# KiCad board porcupine_6x3_routed.kicad_pcb
title: porcupine_6x3; rev: v0.0.1; company: Anarion
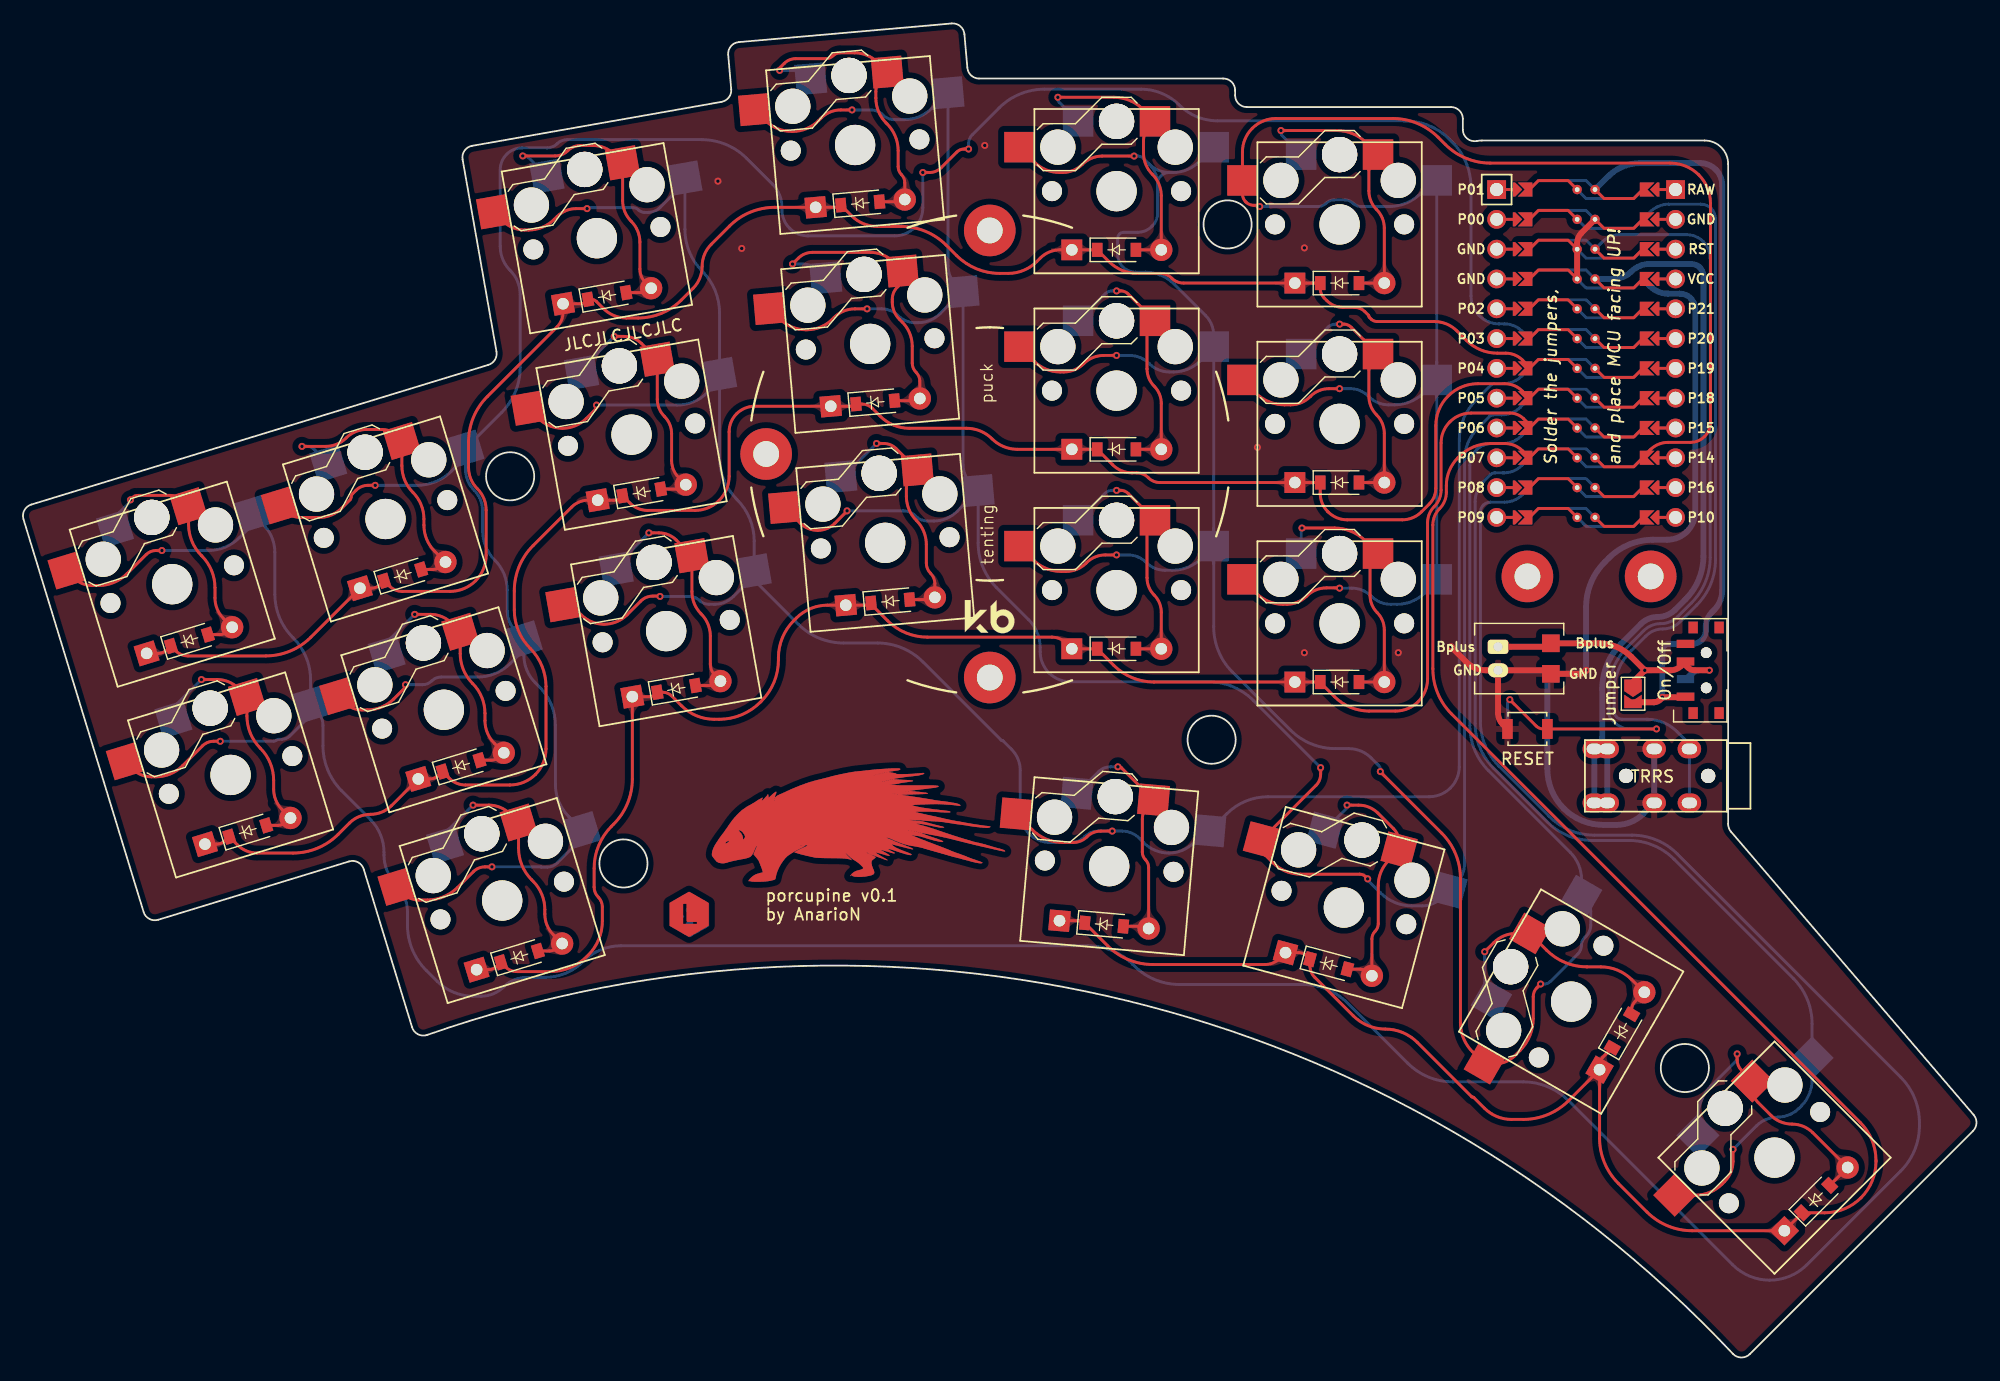
[diagram p0: board, top side]
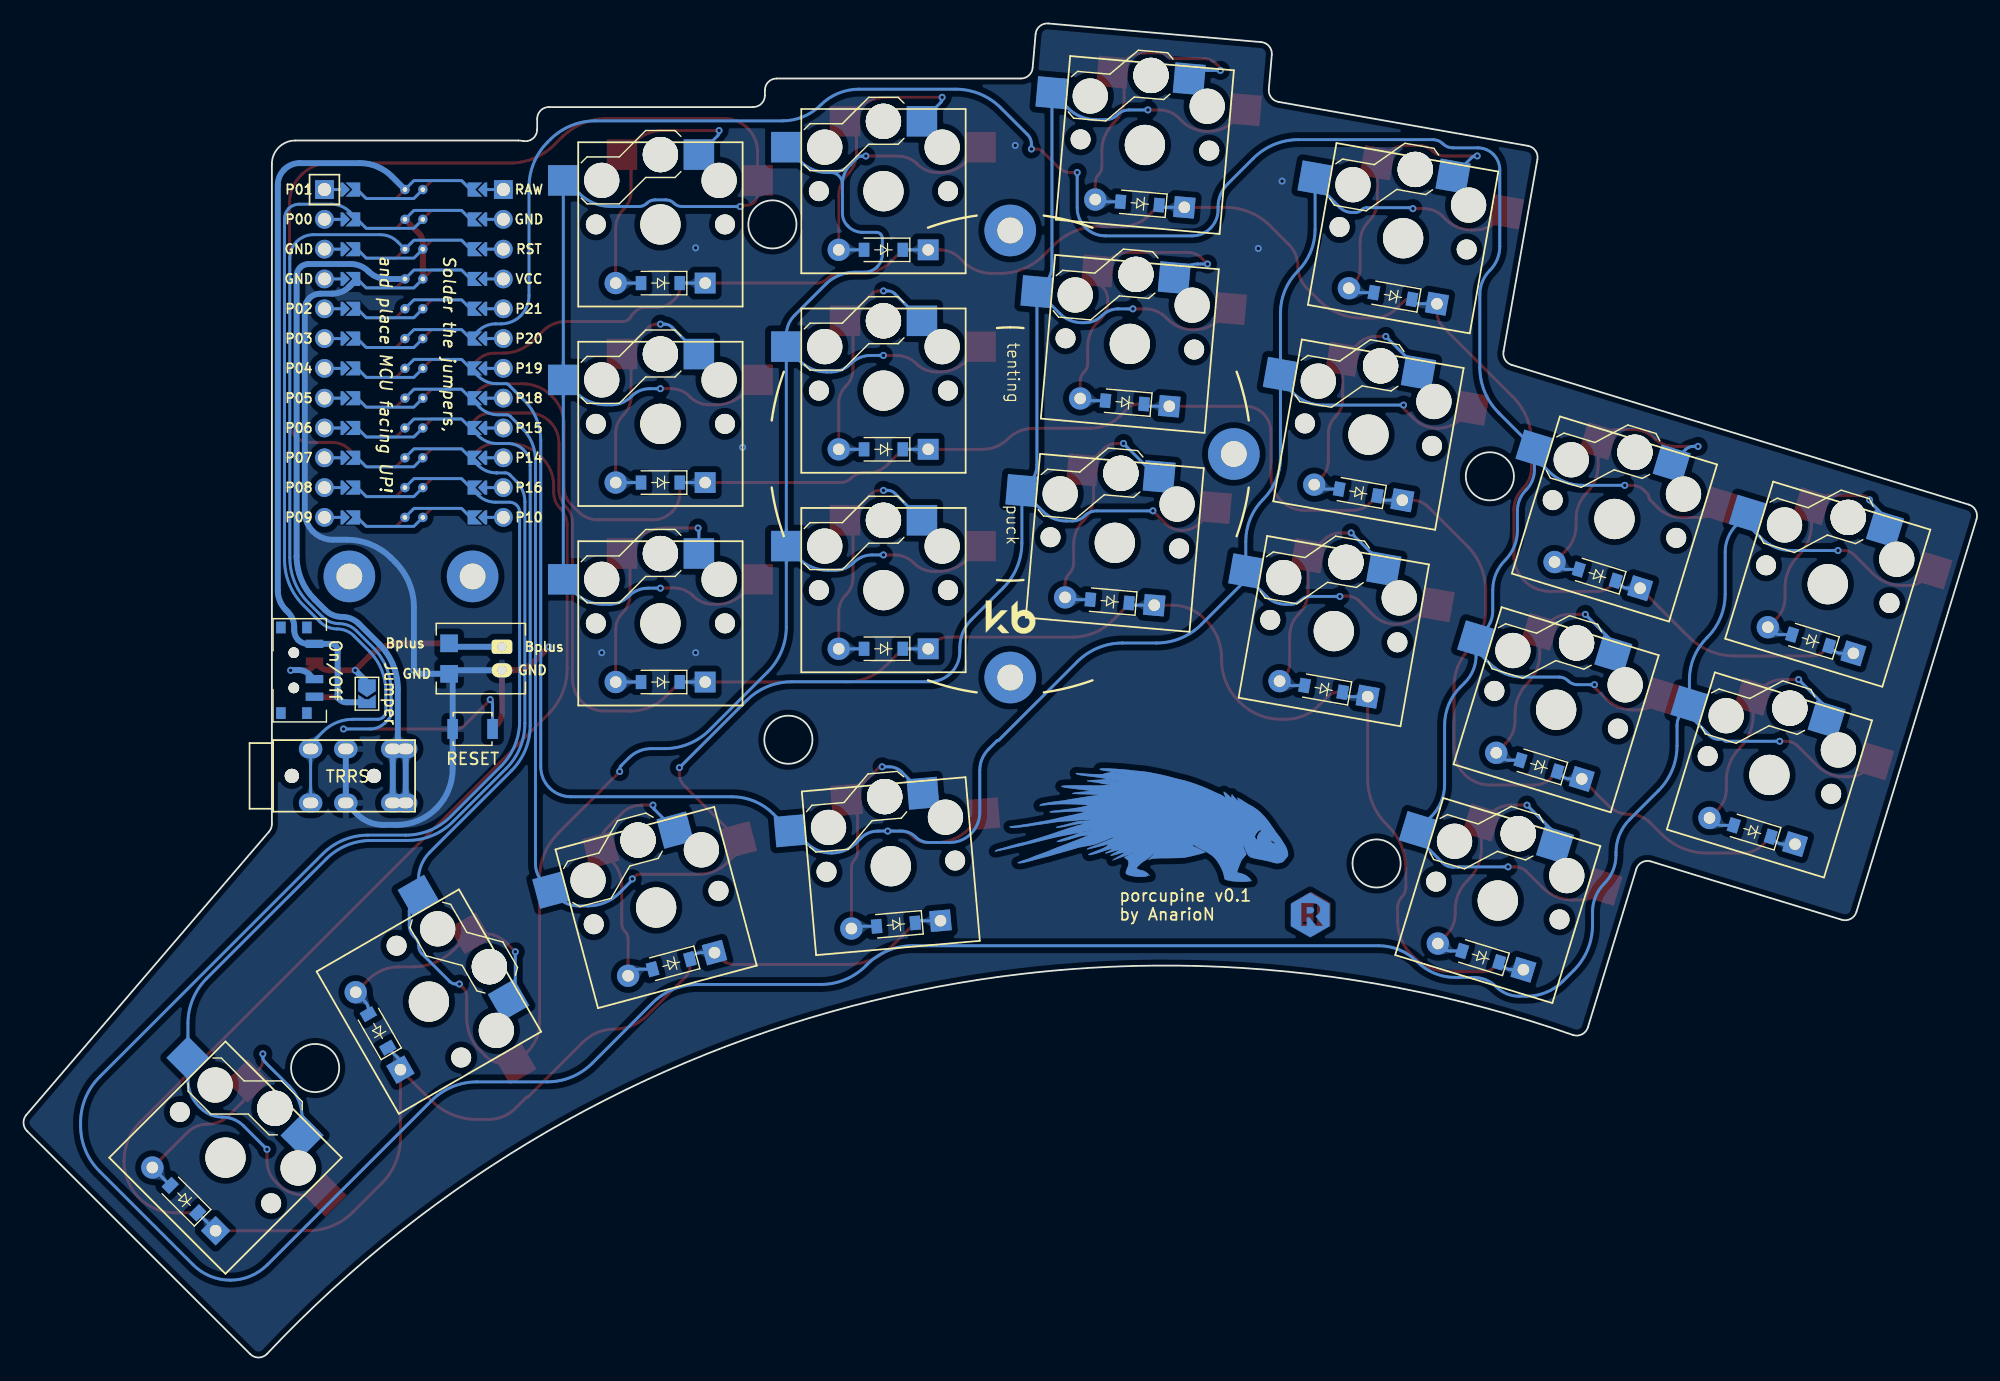
[diagram p1: board, bottom side, seen from below]

Outline 166.38 x 113.69 mm; copper layers: Top, Bottom. Coordinates in mm from the lower left corner of the outline.
Outline path: circle c41.46,75.1 r2.05 ; circle c51.11,42.11 r2.05 ; circle c101.22,52.65 r2.05 ; circle c102.58,96.57 r2.05 ; circle c141.53,24.67 r2.05 ; 0,71.44 arc(0.07,72.21) 0.66,72.69 39.6,84.6 arc(40.16,85.03) 40.3,85.73 37.41,102.11 arc(37.57,102.86) 38.22,103.27 59.47,107.01 arc(60.09,107.39) 60.29,108.09 60.03,111.02 arc(60.26,111.75) 60.94,112.11 79.07,113.69 arc(79.8,113.46) 80.16,112.78 80.41,109.91 arc(80.73,109.26) 81.4,109 102.22,109 arc(102.93,108.71) 103.22,108 103.22,107.57 arc(103.51,106.86) 104.22,106.57 121.62,106.57 arc(122.33,106.28) 122.62,105.57 122.62,104.66 arc(122.99,103.88) 123.82,103.68 arc(124.02,103.71) 124.22,103.72 143.22,103.72 arc(144.63,103.13) 145.22,101.72 145.22,45.47 arc(145.28,45.12) 145.46,44.82 166.14,20.67 arc(166.38,19.99) 166.09,19.32 147.06,0.29 arc(146.34,0) 145.63,0.31 arc(94.04,30.4) 34.39,27.49 arc(33.61,27.55) 33.11,28.15 28.99,41.62 arc(28.5,42.21) 27.74,42.28 11.48,37.31 arc(10.72,37.38) 10.23,37.97 0,71.44

## Placement (name value [footprint] x y rotation side)
_2  -  [bat2p0]  125.62 59.57 0 top
_3  -  [SW_SPDT_PCM12]  143.02 58.57 90 top
_4_B  SW_Push  [SW_SPST_B3U-1000P#2]  128.12 53.57 0 bottom
_4_F  SW_Push  [SW_SPST_B3U-1000P]  128.12 53.57 0 top
_11  -  [Tenting Puck]  82.32 77 0 top
_81  hole  [Through Hole]  128.12 66.57 0 top
_82  hole  [Through Hole]  138.62 66.57 0 top
D1  D_SOD-123  [SOD-123]  19.1 44.87 17 top
D2  D_SOD-123  [SOD-123]  14.13 61.13 17 top
D3  D_SOD-123  [SOD-123]  42.24 34.17 17 top
D4  D_SOD-123  [SOD-123]  37.27 50.42 17 top
D5  D_SOD-123  [SOD-123]  32.3 66.68 17 top
D6  D_SOD-123  [SOD-123]  55.62 56.98 10 top
D7  D_SOD-123  [SOD-123]  52.67 73.73 10 top
D8  D_SOD-123  [SOD-123]  49.72 90.47 10 top
D9  D_SOD-123  [SOD-123]  73.85 64.45 5 top
D10  D_SOD-123  [SOD-123]  72.56 81.4 5 top
D11  D_SOD-123  [SOD-123]  71.28 98.36 5 top
D12  D_SOD-123  [SOD-123]  93.12 60.4 0 top
D13  D_SOD-123  [SOD-123]  93.12 77.4 0 top
D14  D_SOD-123  [SOD-123]  93.12 94.4 0 top
D15  D_SOD-123  [SOD-123]  112.12 57.57 0 top
D16  D_SOD-123  [SOD-123]  112.12 74.57 0 top
D17  D_SOD-123  [SOD-123]  112.12 91.57 0 top
D18  D_SOD-123  [SOD-123]  92.05 36.89 355 top
D19  D_SOD-123  [SOD-123]  111.19 33.52 345 top
D20  D_SOD-123  [SOD-123]  136.17 27.83 60 top
D21  D_SOD-123  [SOD-123]  152.7 13.5 45 top
J1  Jumper  [SolderJumper-2_P1.3mm_Open_TrianglePad1.0x1.5mm]  137.12 56.57 270 bottom
J2  Jumper  [SolderJumper-2_P1.3mm_Open_TrianglePad1.0x1.5mm]  137.12 56.57 270 top
LOGO_B  -  [Porcupine Logo]  71.12 45.4 0 bottom
LOGO_F  -  [Porcupine Logo]  71.12 45.4 0 top
MCU1  -  [ProMicro]  133.12 85.57 270 top
PAD1  -  [SMDPad]  130.12 60.87 0 top
PAD2  -  [SMDPad]  130.12 58.27 0 top
S1  -  [PG1350]  17.64 49.65 17 top
S2  -  [PG1350]  12.67 65.91 17 top
S3  -  [PG1350]  40.78 38.95 17 top
S4  -  [PG1350]  35.81 55.21 17 top
S5  -  [PG1350]  30.84 71.46 17 top
S6  -  [PG1350]  54.75 61.91 10 top
S7  -  [PG1350]  51.8 78.65 10 top
S8  -  [PG1350]  48.85 95.39 10 top
S9  -  [PG1350]  73.41 69.43 5 top
S10  -  [PG1350]  72.13 86.38 5 top
S11  -  [PG1350]  70.85 103.34 5 top
S12  -  [PG1350]  93.12 65.4 0 top
S13  -  [PG1350]  93.12 82.4 0 top
S14  -  [PG1350]  93.12 99.4 0 top
S15  -  [PG1350]  112.12 62.57 0 top
S16  -  [PG1350]  112.12 79.57 0 top
S17  -  [PG1350]  112.12 96.57 0 top
S18  -  [PG1350]  92.49 41.88 355 top
S19  -  [PG1350]  112.48 38.35 345 top
S20  -  [PG1350]  131.84 30.33 60 top
S21  -  [PG1350]  149.17 17.04 45 top
Side_B  -  [Side Indicator]  55.32 34.8 0 bottom
Side_F  -  [Side Indicator]  55.32 38.85 0 top
TRRS_B  AudioJack4  [TRRS-PJ-320A-dual#2]  145.12 49.57 270 bottom
TRRS_F  AudioJack4  [TRRS-PJ-320A-dual]  145.12 49.57 270 top

## Library data of the parts
_2 = -: LCSC Part #: C265016
_3 = -: LCSC Part #: C221841
_4_B _4_F = -: Field4: _4
D1-D21 = -: LCSC Part #: C105503
TRRS_B = -: Field4: R outer; Field5: Tip; Field6: Sleeve; Field7: R inner
TRRS_F = -: Field4: Sleeve; Field5: R inner; Field6: R outer; Field7: Tip

## Footprints (pads in the part's own frame, mm; a bottom-side part is the same pattern mirrored in y, then rotated)
bat2p0
  rrect 1.75x1.2 hole 0.75: 1(0,1) 1(0,1)
  oval 1.75x1.2 hole 0.75: 2(0,-1) 2(0,-1)
PG1350
  round 1.702 hole 1.702 unplated: (-5.5,0) (5.5,0)
  round 3 hole 3 unplated: (-5,3.75) (0,5.95) (0,5.95) (5,3.75)
  round 3.429 hole 3.429 unplated: (0,0)
  rect 2.6x2.6 smd far side: 1(-3.275,5.95) 2(8.275,3.75)
  rect 2.6x2.6 smd: 1(3.275,5.95) 2(-8.275,3.75)
ProMicro
  round 1.6 hole 1.1: (-13.97,7.62) (-13.97,-7.62) (-11.43,7.62) (-11.43,-7.62) (-8.89,7.62) (-8.89,-7.62) (-6.35,7.62) (-6.35,-7.62) (-3.81,7.62) (-3.81,-7.62) (-1.27,7.62) (-1.27,-7.62) (1.27,7.62) (1.27,-7.62) (3.81,7.62) (3.81,-7.62) (6.35,7.62) (6.35,-7.62) (8.89,7.62) (8.89,-7.62) (11.43,7.62) (11.43,-7.62) (13.97,7.62) (13.97,-7.62)
  rect 1.6x1.6 hole 1.1: (-13.97,7.62) (-13.97,-7.62)
  custom 0.25x1 smd: (-13.97,6.35) (-13.97,-6.35) (-11.43,6.35) (-11.43,-6.35) (-8.89,6.35) (-8.89,-6.35) (-6.35,6.35) (-6.35,-6.35) (-3.81,6.35) (-3.81,-6.35) (-1.27,6.35) (-1.27,-6.35) (1.27,6.35) (1.27,-6.35) (3.81,6.35) (3.81,-6.35) (6.35,6.35) (6.35,-6.35) (8.89,6.35) (8.89,-6.35) (11.43,6.35) (11.43,-6.35) (13.97,6.35) (13.97,-6.35)
  custom 0.25x1 smd far side: (-13.97,6.35) (-13.97,-6.35) (-11.43,6.35) (-11.43,-6.35) (-8.89,6.35) (-8.89,-6.35) (-6.35,6.35) (-6.35,-6.35) (-3.81,6.35) (-3.81,-6.35) (-1.27,6.35) (-1.27,-6.35) (1.27,6.35) (1.27,-6.35) (3.81,6.35) (3.81,-6.35) (6.35,6.35) (6.35,-6.35) (8.89,6.35) (8.89,-6.35) (11.43,6.35) (11.43,-6.35) (13.97,6.35) (13.97,-6.35)
  custom 1.2x0.8 smd: (-13.97,5.842) (-13.97,-5.842) (-11.43,5.842) (-11.43,-5.842) (-8.89,5.842) (-8.89,-5.842) (-6.35,5.842) (-6.35,-5.842) (-3.81,5.842) (-3.81,-5.842) (-1.27,5.842) (-1.27,-5.842) (1.27,5.842) (1.27,-5.842) (3.81,5.842) (3.81,-5.842) (6.35,5.842) (6.35,-5.842) (8.89,5.842) (8.89,-5.842) (11.43,5.842) (11.43,-5.842) (13.97,5.842) (13.97,-5.842)
  custom 1.2x0.8 smd far side: (-13.97,5.842) (-13.97,-5.842) (-11.43,5.842) (-11.43,-5.842) (-8.89,5.842) (-8.89,-5.842) (-6.35,5.842) (-6.35,-5.842) (-3.81,5.842) (-3.81,-5.842) (-1.27,5.842) (-1.27,-5.842) (1.27,5.842) (1.27,-5.842) (3.81,5.842) (3.81,-5.842) (6.35,5.842) (6.35,-5.842) (8.89,5.842) (8.89,-5.842) (11.43,5.842) (11.43,-5.842) (13.97,5.842) (13.97,-5.842)
  custom 1.2x1.25 smd: 1(-13.97,4.826) 2(-11.43,4.826) 3(-8.89,4.826) 4(-6.35,4.826) 5(-3.81,4.826) 6(-1.27,4.826) 7(1.27,4.826) 8(3.81,4.826) 9(6.35,4.826) 10(8.89,4.826) 11(11.43,4.826) 12(13.97,4.826) 13(13.97,-4.826) 14(11.43,-4.826) 15(8.89,-4.826) 16(6.35,-4.826) 17(3.81,-4.826) 18(1.27,-4.826) 19(-1.27,-4.826) 20(-3.81,-4.826) 21(-6.35,-4.826) 22(-8.89,-4.826) 23(-11.43,-4.826) 24(-13.97,-4.826)
  custom 1.016x4.314 smd: 1(-13.97,0.762) 2(-11.43,0.762) 3(-8.89,0.762) 4(-6.35,0.762) 5(-3.81,0.762) 6(-1.27,0.762) 7(1.27,0.762) 8(3.81,0.762) 9(6.35,0.762) 10(8.89,0.762) 11(11.43,0.762) 12(13.97,0.762)
  custom 1.016x5.838 smd far side: 1(-13.97,0.762) 2(-11.43,0.762) 3(-8.89,0.762) 4(-6.35,0.762) 5(-3.81,0.762) 6(-1.27,0.762) 7(1.27,0.762) 8(3.81,0.762) 9(6.35,0.762) 10(8.89,0.762) 11(11.43,0.762) 12(13.97,0.762) 13(13.97,-0.762) 14(11.43,-0.762) 15(8.89,-0.762) 16(6.35,-0.762) 17(3.81,-0.762) 18(1.27,-0.762) 19(-1.27,-0.762) 20(-3.81,-0.762) 21(-6.35,-0.762) 22(-8.89,-0.762) 23(-11.43,-0.762) 24(-13.97,-0.762)
  round 0.8 hole 0.4: 1(-13.97,0.762) 2(-11.43,0.762) 3(-8.89,0.762) 4(-6.35,0.762) 5(-3.81,0.762) 6(-1.27,0.762) 7(1.27,0.762) 8(3.81,0.762) 9(6.35,0.762) 10(8.89,0.762) 11(11.43,0.762) 12(13.97,0.762) 13(13.97,-0.762) 14(11.43,-0.762) 15(8.89,-0.762) 16(6.35,-0.762) 17(3.81,-0.762) 18(1.27,-0.762) 19(-1.27,-0.762) 20(-3.81,-0.762) 21(-6.35,-0.762) 22(-8.89,-0.762) 23(-11.43,-0.762) 24(-13.97,-0.762)
  custom 1.2x1.25 smd far side: 1(-13.97,-4.826) 2(-11.43,-4.826) 3(-8.89,-4.826) 4(-6.35,-4.826) 5(-3.81,-4.826) 6(-1.27,-4.826) 7(1.27,-4.826) 8(3.81,-4.826) 9(6.35,-4.826) 10(8.89,-4.826) 11(11.43,-4.826) 12(13.97,-4.826) 13(13.97,4.826) 14(11.43,4.826) 15(8.89,4.826) 16(6.35,4.826) 17(3.81,4.826) 18(1.27,4.826) 19(-1.27,4.826) 20(-3.81,4.826) 21(-6.35,4.826) 22(-8.89,4.826) 23(-11.43,4.826) 24(-13.97,4.826)
  custom 1.012x4.314 smd: 13(13.97,-0.762) 14(11.43,-0.762) 15(8.89,-0.762) 16(6.35,-0.762) 17(3.81,-0.762) 18(1.27,-0.762) 19(-1.27,-0.762) 20(-3.81,-0.762) 21(-6.35,-0.762) 22(-8.89,-0.762) 23(-11.43,-0.762) 24(-13.97,-0.762)
SMDPad
  rect 1.5x1.5 smd: 1(0,0)
  rect 1.5x1.5 smd far side: 1(0,0)
SOD-123
  rect 0.9x1.2 smd: 1(-1.65,0) 2(1.65,0)
  rect 0.9x1.2 smd far side: 1(-1.65,0) 2(1.65,0)
  round 1.905 hole 0.991: 1(3.81,0)
  rect 1.778x1.778 hole 0.991: 2(-3.81,0)
SolderJumper-2_P1.3mm_Open_TrianglePad1.0x1.5mm
  custom 1.5x1.5 smd: 1(-0.725,0)
  custom 1.15x1.5 smd: 2(0.725,0)
SW_SPDT_PCM12
  rect 1x0.8 smd: (-3.65,0.78) (-3.65,-1.43) (3.65,0.78) (3.65,-1.43)
  rect 1x0.8 smd far side: (-3.65,0.78) (-3.65,-1.43) (3.65,0.78) (3.65,-1.43)
  round 0.9 hole 0.9 unplated: (-1.5,-0.33) (-1.5,-0.33) (1.5,-0.33) (1.5,-0.33)
  rect 0.7x1.5 smd: 1(-2.25,1.43) 2(0.75,1.43) 3(2.25,1.43)
  rect 0.7x1.5 smd far side: 1(2.25,1.43) 2(-0.75,1.43) 3(-2.25,1.43)
SW_SPST_B3U-1000P#2
  rect 0.9x1.7 smd: 1(-1.7,0) 2(1.7,0)
  rect 0.9x1.7 smd far side: 1(1.7,0) 2(-1.7,0)
Tenting Puck
  round 4.4 hole 2.2: 1(-19.05,0) 1(0,19.05) 1(0,-19.05)
Through Hole
  round 4.4 hole 2.2: 1(0,0)
TRRS-PJ-320A-dual
  round 1.2 hole 1.2 unplated: (0,-1.6) (0,-8.6)
TRRS-PJ-320A-dual#2
  round 1.2 hole 1.2 unplated: (0,1.6) (0,8.6)
  oval 1.6x2 hole 0.9x1.3: R1(-2.3,6.2) R1(2.3,6.2) R2(-2.3,3.2) R2(2.3,3.2) S(-2.3,11.3) S(2.3,11.3) T(-2.3,10.2) T(2.3,10.2)

## Nets
GND: _2.2 _4_B.2 MCU1.2 MCU1.21 MCU1.22 PAD2.1 TRRS_B.R1
VCC: MCU1.4 TRRS_B.S TRRS_B.T
Bplus: _2.1 _3.2 J1.1 J2.1 PAD1.1
far_thumb: S21.1
home_thumb: S20.1
index_bottom: S12.1
index_home: S13.1
index_top: S14.1
inner_bottom: S15.1
inner_home: S16.1
inner_thumb: S18.1
inner_top: S17.1
middle_bottom: S9.1
middle_home: S10.1
middle_top: S11.1
near_thumb: S19.1
outer_home: S1.1
outer_top: S2.1
P0: MCU1.23 TRRS_B.R2
P1: MCU1.24
P2: MCU1.20
P3: MCU1.19
P4: MCU1.18
P4|index_top: D14.1 D14.2
P4|inner_top: D17.1 D17.2
P4|middle_top: D11.1 D11.2
P4|outer_top: D2.1 D2.2
P4|pinky_top: D5.1 D5.2
P4|ring_top: D8.1 D8.2
P5: MCU1.17
P5|index_home: D13.1 D13.2
P5|inner_home: D16.1 D16.2
P5|middle_home: D10.1 D10.2
P5|outer_home: D1.1 D1.2
P5|pinky_home: D4.1 D4.2
P5|ring_home: D7.1 D7.2
P6: MCU1.16
P6|index_bottom: D12.1 D12.2
P6|inner_bottom: D15.1 D15.2
P6|middle_bottom: D9.1 D9.2
P6|pinky_bottom: D3.1 D3.2
P6|ring_bottom: D6.1 D6.2
P7: MCU1.15
P7|far_thumb: D21.1 D21.2
P7|home_thumb: D20.1 D20.2
P7|inner_thumb: D18.1 D18.2
P7|near_thumb: D19.1 D19.2
P8: MCU1.14
P9: MCU1.13
P10: MCU1.12
P14: MCU1.10 S15.2 S16.2 S17.2 S21.2
P15: MCU1.9 S12.2 S13.2 S14.2 S20.2
P16: MCU1.11 S1.2 S2.2
P18: MCU1.8 S9.2 S10.2 S11.2 S19.2
P19: MCU1.7 S6.2 S7.2 S8.2 S18.2
P20: MCU1.6 S3.2 S4.2 S5.2
P21: MCU1.5
pinky_bottom: S3.1
pinky_home: S4.1
pinky_top: S5.1
RAW: _3.1 J1.2 J2.2 MCU1.1
ring_bottom: S6.1
ring_home: S7.1
ring_top: S8.1
RST: _4_B.1 MCU1.3

Pads without a net: _3 3; _11 1; _81 1; _82 1

## Via types
v1: diameter 0.6, hole 0.3, Top to Bottom, 60 vias

## Routing (per net, layer and track width the routed paths; a pad name or vN(x,y) marks a point on that pad's centre or on a via; arc(x,y) is an arc through that point)
GND: length 99.6
  Top w0.5: MCU1.21 MCU1.22 132.36,94.97 arc(132.45,95.44) 132.72,95.83 MCU1.2 ; v1(121.62,60.57) 122.91,59.28 arc(123.69,58.75) 124.62,58.57 _2.2 ; _2.2 129.61,58.57 arc(129.8,58.53) 129.97,58.42 arc(130.13,58.31) 130.33,58.27 132.61,58.27 arc(132.8,58.31) 132.97,58.42 v1(133.12,58.57) ; _2.2 125.62,54.93 arc(125.72,54.41) 126.02,53.97 _4_B.2
  Bottom w0.5: _2.2 129.61,58.57 arc(129.8,58.53) 129.97,58.42 ; TRRS_B.R1 138.92,47.44 ; 130.33,58.27 132.61,58.27 arc(132.8,58.31) 132.97,58.42 v1(133.12,58.57) 133.12,63.94 arc(133.53,66.03) 134.71,67.79 135.06,68.14 arc(136.78,69.29) 138.81,69.69 140.02,69.69 arc(140.94,69.88) 141.71,70.39 arc(142.23,71.17) 142.41,72.08 142.41,89.34 arc(142.31,89.85) 142.03,90.28 arc(141.6,90.57) 141.09,90.67 140.08,90.67 arc(139.26,90.83) 138.57,91.29 MCU1.21 ; 130.33,58.27 arc(130.13,58.31) 129.97,58.42 ; 130.33,58.27 arc(130.13,58.23) 129.97,58.12 ; 138.92,47.44 138.92,47.1 ; 138.92,47.44 arc(138.89,47.28) 138.8,47.15 ; 138.92,47.1 138.92,46.93 ; 138.92,47.1 arc(138.88,47.17) 138.8,47.15 ; 138.8,47.15 137.98,46.33 arc(136.94,45.64) 135.72,45.39 134.59,45.39 arc(132.76,45.76) 131.22,46.79 arc(130.18,48.34) 129.82,50.16 _4_B.2 129.82,57.76 arc(129.86,57.95) 129.97,58.12 ; 129.97,58.42 arc(130.03,58.27) 129.97,58.12
  vias: v1(59.16,100.26) v1(61.19,94.52) v1(81.89,103.3) v1(105.12,77.57) v1(109.12,94.57) v1(109.12,60.07) v1(117.12,60.07)
VCC: length 63.8
  Bottom w0.5: MCU1.4 135.44,91.92 arc(136.27,92.08) 136.98,92.56 arc(137.68,93.03) 138.51,93.19 142.09,93.19 arc(142.48,93.12) 142.81,92.89 arc(143.04,92.56) 143.11,92.17 143.11,68.28 arc(142.72,66.31) 141.6,64.63 140.69,63.72 arc(140.02,63.27) 139.24,63.12 arc(138.45,62.96) 137.79,62.52 136.08,60.81 arc(134.9,59.05) 134.49,56.96 134.49,52.78 arc(134.44,52.56) 134.32,52.37 134.15,52.2 arc(133.91,51.83) 133.82,51.39 TRRS_B.S ; TRRS_B.T TRRS_B.T
Bplus: length 29.7
  Top w0.5: v1(138.12,58.57) 140.31,58.57 arc(140.8,58.67) 141.21,58.94 141.48,59.21 arc(141.55,59.23) 141.59,59.17 arc(141.62,59.03) 141.69,58.91 141.81,58.79 arc(142.06,58.63) 142.36,58.57 v1(143.62,58.57) ; v1(138.12,58.57) 137.22,57.67 arc(137.14,57.56) 137.12,57.43 J2.1 ; v1(138.12,58.57) 136.97,59.72 arc(135.69,60.57) 134.19,60.87 130.33,60.87 arc(130.13,60.83) 129.97,60.72 arc(129.8,60.61) 129.61,60.57 _2.1
  Bottom w0.5: _3.2 141.61,57.82 arc(141.64,57.82) 141.66,57.84 142.03,58.21 arc(142.45,58.49) 142.96,58.59 143.58,58.59 arc(143.59,58.59) 143.61,58.58 v1(143.62,58.57) ; J2.1 137.12,57.43 arc(137.14,57.56) 137.22,57.67 v1(138.12,58.57) ; PAD1.1 129.97,60.72 arc(129.8,60.61) 129.61,60.57 _2.1
far_thumb: length 26.9
  Top w0.25: 153.87,14.67 155.4,16.2 152.44,19.16 arc(151.62,19.7) 150.66,19.89 arc(149.69,20.08) 148.88,20.63 147.75,21.76 arc(147.4,22.28) 147.28,22.89 arc(147.16,23.51) 146.81,24.03 146.35,24.49 arc(146.08,24.89) 145.99,25.36 v1(145.99,25.88)
  Bottom w0.25: 153.87,14.67 155.4,16.2 ; v1(145.99,25.88) 145.99,25.62 arc(145.94,25.39) 145.81,25.19 143.74,23.12 arc(142.93,21.91) 142.65,20.48 S21.1
home_thumb: length 24.2
  Top w0.25: 137,29.26 137,29.66 arc(137.07,30.02) 137.28,30.33 137.54,30.59 arc(137.76,31.13) 137.54,31.67 137,32.21 arc(135.8,33.01) 134.39,33.29 133.19,33.29 arc(131.33,33.66) 129.75,34.72 129.13,35.34 arc(128.24,35.93) 127.18,36.14 127.15,36.14 arc(126.13,35.94) 125.26,35.36 v1(124.48,34.58)
  Bottom w0.25: 137,29.26 137,29.66 arc(137.07,30.02) 137.28,30.33 138.08,31.13 ; v1(124.48,34.58) 124.48,31.45 arc(124.55,31.07) 124.77,30.76 S20.1
index_bottom: length 24.2
  Top w0.25: 94.77,60.4 96.93,60.4 96.93,63.52 arc(96.77,64.31) 96.32,64.99 arc(95.87,65.66) 95.71,66.45 95.71,70.19 arc(95.8,70.64) 96.05,71.01 arc(96.19,71.35) 96.05,71.69 94.1,73.65 arc(93.82,73.84) 93.48,73.9 v1(93.12,73.9)
  Bottom w0.25: 94.77,60.4 96.93,60.4 ; v1(93.12,73.9) 92.76,73.9 arc(92.42,73.84) 92.14,73.65 S12.1
index_home: length 24.2
  Top w0.25: v1(93.12,90.9) 93.48,90.9 arc(93.82,90.84) 94.1,90.65 96.05,88.69 arc(96.19,88.35) 96.05,88.01 arc(95.8,87.64) 95.71,87.19 95.71,84.25 arc(95.87,83.46) 96.32,82.79 arc(96.77,82.11) 96.93,81.32 96.93,77.4 94.77,77.4
  Bottom w0.25: 94.77,77.4 96.93,77.4 ; S13.1 92.14,90.65 arc(92.42,90.84) 92.76,90.9 v1(93.12,90.9)
index_top: length 27.4
  Top w0.25: 94.77,94.4 96.93,94.4 96.93,99.01 arc(96.73,100) 96.17,100.84 arc(95.61,101.67) 95.41,102.66 95.41,103.68 arc(95.54,104.32) 95.9,104.86 arc(96.11,105.35) 95.9,105.84 95.37,106.38 arc(94.23,107.14) 92.89,107.4 v1(88.12,107.4)
  Bottom w0.25: v1(88.12,107.4) 88.12,107.24 arc(88.15,107.09) 88.23,106.96 S14.1 ; 94.77,94.4 96.93,94.4
inner_bottom: length 25
  Top w0.25: v1(108.91,70.69) 111.68,70.69 arc(113.1,70.41) 114.31,69.61 115.05,68.86 arc(115.19,68.52) 115.05,68.18 arc(114.8,67.8) 114.71,67.36 114.71,64.95 arc(114.87,64.16) 115.32,63.49 arc(115.77,62.81) 115.93,62.02 115.93,57.57 113.77,57.57
  Bottom w0.25: v1(108.91,70.69) 108.88,70.66 arc(108.85,70.62) 108.84,70.57 S15.1 ; 113.77,57.57 115.93,57.57
inner_home: length 24.2
  Top w0.25: 113.77,74.57 115.93,74.57 115.93,78.75 arc(115.76,79.61) 115.27,80.34 arc(114.78,81.06) 114.61,81.92 114.61,84.19 arc(114.71,84.7) 115,85.13 arc(115.16,85.52) 115,85.91 113.1,87.81 arc(112.82,88) 112.48,88.07 v1(112.12,88.07)
  Bottom w0.25: 113.77,74.57 115.93,74.57 ; v1(112.12,88.07) 111.76,88.07 arc(111.42,88) 111.14,87.81 S16.1
inner_thumb: length 24
  Top w0.25: 93.7,36.75 95.53,36.75 arc(95.65,36.73) 95.76,36.66 arc(95.82,36.64) 95.85,36.7 95.85,41.78 arc(95.78,42.13) 95.58,42.42 arc(95.38,42.72) 95.31,43.07 95.31,45.88 arc(95.44,46.51) 95.79,47.04 arc(95.99,47.52) 95.79,48 93.52,50.27 arc(93.44,50.32) 93.34,50.34 v1(93.23,50.34)
  Bottom w0.25: 95.85,36.56 95.76,36.66 arc(95.65,36.73) 95.53,36.75 93.7,36.75 ; v1(93.23,50.34) 92.62,50.34 arc(92.05,50.23) 91.57,49.91 S18.1
inner_top: length 27.4
  Top w0.25: 113.77,91.57 115.93,91.57 115.93,96.25 arc(115.76,97.11) 115.27,97.84 arc(114.78,98.56) 114.61,99.42 114.61,101.19 arc(114.71,101.7) 115,102.13 arc(115.16,102.52) 115,102.91 114.37,103.54 arc(113.23,104.3) 111.89,104.57 v1(107.12,104.57)
  Bottom w0.25: 113.77,91.57 115.93,91.57 ; S17.1 107.23,104.13 arc(107.15,104.26) 107.12,104.41 v1(107.12,104.57)
middle_bottom: length 24.5
  Top w0.25: 75.49,64.59 77.32,64.59 arc(77.44,64.62) 77.55,64.69 arc(77.62,64.79) 77.64,64.92 77.64,65.95 arc(77.55,66.43) 77.28,66.83 arc(77.01,67.23) 76.91,67.71 76.91,69.29 arc(76.69,70.4) 76.06,71.34 arc(75.43,72.28) 75.21,73.4 75.21,74.04 arc(75.34,74.65) 75.68,75.17 arc(75.88,75.64) 75.68,76.11 74.33,77.46 arc(73.85,77.79) 73.28,77.9 v1(72.67,77.9)
  Bottom w0.25: 77.64,64.78 77.55,64.69 arc(77.44,64.62) 77.32,64.59 75.49,64.59 ; v1(72.67,77.9) 69.92,75.15 arc(69.84,75.09) 69.74,75.07 S9.1
middle_home: length 29.6
  Top w0.25: v1(65.51,93.19) 66.01,93.69 arc(66.56,94.06) 67.21,94.19 72.16,94.19 arc(73.2,93.98) 74.08,93.39 74.54,92.93 arc(74.78,92.56) 74.87,92.12 arc(74.78,91.69) 74.54,91.32 74.44,91.22 arc(74.12,90.75) 74.01,90.19 74.01,89.94 arc(74.17,89.16) 74.61,88.49 74.86,88.24 arc(75.49,87.3) 75.71,86.19 75.71,84.75 arc(75.8,84.33) 76.04,83.97 arc(76.28,83.61) 76.36,83.19 76.36,81.87 arc(76.33,81.74) 76.26,81.64 arc(76.16,81.57) 76.04,81.55 74.21,81.55
  Bottom w0.25: 74.21,81.55 76.04,81.55 arc(76.16,81.57) 76.26,81.64 76.36,81.73 ; S10.1 67.76,92.61 arc(67.12,93.04) 66.35,93.19 v1(65.51,93.19)
middle_top: length 29.2
  Top w0.25: 72.92,98.5 74.76,98.5 arc(74.88,98.52) 74.98,98.59 arc(75.05,98.7) 75.08,98.82 75.08,100.13 arc(75,100.5) 74.79,100.81 arc(74.59,101.12) 74.51,101.49 74.51,102.85 arc(74.27,104.09) 73.56,105.14 73.49,105.22 arc(72.84,106.19) 72.61,107.33 72.61,107.88 arc(72.74,108.52) 73.1,109.06 arc(73.3,109.55) 73.1,110.04 72.77,110.37 arc(71.86,110.98) 70.78,111.19 69.57,111.19 arc(69.24,111.13) 68.96,110.94 arc(68.69,110.76) 68.36,110.69 65.78,110.69 arc(65.26,110.59) 64.81,110.29 64.48,109.96 arc(64.43,109.89) 64.41,109.79 v1(64.41,109.69)
  Bottom w0.25: 72.92,98.5 74.76,98.5 arc(74.88,98.52) 74.98,98.59 75.08,98.69 ; v1(64.41,109.69) 65.84,109.69 arc(66.31,109.6) 66.71,109.34 S11.1
near_thumb: length 25.1